# Altium PCB MSP-EXP430FR2433_PCB.PcbDoc (part 1 of 2) (continued)
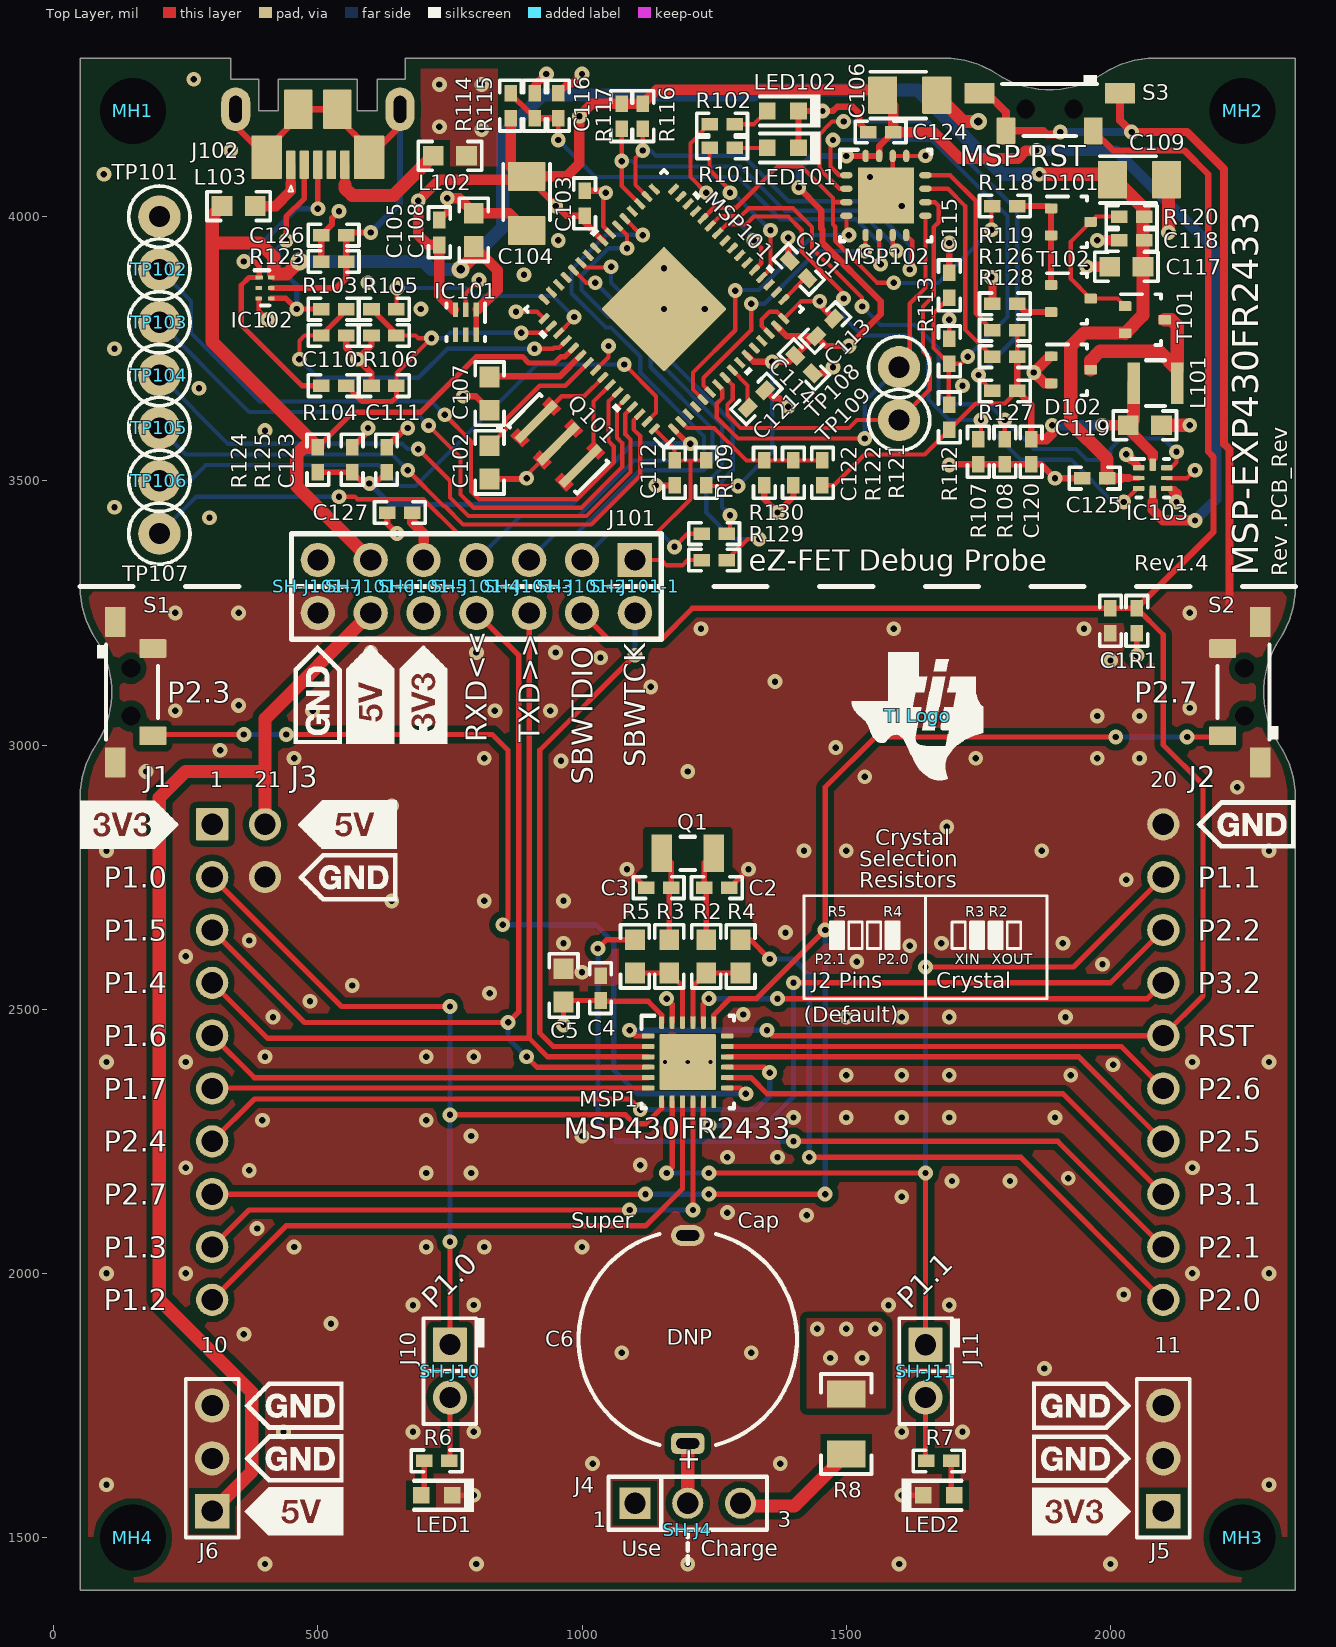
[diagram p0: Top Layer view]
## Components (designator, comment, footprint, x,y, rotation, side; value= is the part's Value field where it differs from the comment)
C1 "GRM155R71H102KA01D" 0402 2000,3235 r270 top
C2 "GRM1555C1E120JA01D" 0402 1255,2730 r0 top
C3 "GRM1555C1E120JA01D" 0402 1145,2730 r180 top
C4 "GRM155R61H104ME14D" 0402 1035,2540 r90 top
C5 "GRM188R60J106ME84" 0603 965,2545 r270 top
C6 "EEC-S0HD224H" SD_1050x600 1200,1875 r90 top
C101 "GRM155R61C474KE01" 0402 1410,3900 r315 top
C102 "GRM188R61C224KA88D" 0603 825,3535 r90 top
C103 "GRM155R61A104KA01D" 0402 1005,4025 r270 top
C104 "293D106X0010A2TE3" 3216-18 895,4025 r270 top
C105 "GRM155R61A104KA01D" 0402 730,3970 r270 top
C106 "293D475X9010A2TE3" 3216-18 1620,4230 r0 top
C107 "GRM188R61C224KA88D" 0603 825,3665 r90 top
C108 "GRM185R61A105KE36D" 0603 795,3975 r270 top
C109 "293D475X9010A2TE3" 3216-18 2055,4070 r0 top
C110 "GRM1555C1H100JA01D" 0402 530,3775 r0 top
C111 "GRM1555C1H100JA01D" 0402 625,3680 r180 top
C112 "GRM155R71H102KA01D" 0402 1175,3515 r90 top
C113 "GRM155R61A104KA01D" 0402 1460,3790 r225 top
C114 "GRM155R61A104KA01D" 0402 1420,3720 r135 top
C115 "GRM1555C1H330JA01D" 0402 1695,3870 r270 top
C116 "GRM1555C1H330JA01D" 0402 955,4210 r270 top
C117 "GRM188R61C475KAAJ" 0603 2030,3905 r0 top
C118 "GRM155R61A104KA01D" 0402 2040,3955 r0 top
C119 "GRM188R61C475KAAJ" 0603 2065,3605 r180 top
C120 "GRM155R61A104KA01D" 0402 1850,3555 r90 top
C121 "GRM155R61A104KA01D" 0402 1330,3655 r225 top
C122 "GRM1555C1H330JA01D" 0402 1345,3515 r90 top
C123 "GRM1555C1H330JA01D" 0402 630,3540 r270 top
C124 "GRM155R61A104KA01D" 0402 1565,4160 r0 top
C125 "GRM155R61A104KA01D" 0402 1970,3505 r0 top
C126 "GRM155R61A224KE19D" 0402 530,3965 r0 top
C127 "GRM1555C1H101JA01D" 0402 655,3440 r180 top
"CE Logo" "CE Mark" CE_Mark_5mm 1650,2400 r180 bottom
D101 "BAS40-05W,115" SOT-323 1925,3990 r0 top
D102 "BAS40-05W,115" SOT-323 1925,3710 r0 top
"ESD Logo" "ESD Susceptible" ESD_Overlay_Medium 750,2400 r180 bottom
"FCC Logo" "FCC disclaimer" FCC_disclaimer 1200,1465 r90 bottom
IC101 "TLV70033DSET" DSE0006A 780,3800 r270 top
IC102 "TPD4E004DRYR" DRY0006A 400,3865 r0 top
IC103 "TS5A21366RSER" RSE0008A 2080,3505 r0 top
J1 "SSQ-110-03-F-S" BoosterPack_20pin_J1 300,2400 r180 bottom
J2 "SSQ-110-03-F-S" BoosterPack_20pin_J2 2100,2400 r180 bottom
J3 "SSQ-102-03-F-S" BoosterPack_20pin_J3 400,2800 r180 bottom
J4 "PEC03SAAN" CONN_PEC03SAAN 1200,1565 r0 top
J5 "PEC03SAAN" PEC03SAAN_Launchpad_3V3 2100,1650 r90 top
J6 "PEC03SAAN" PEC03SAAN_Launchpad_5V0 300,1650 r90 top
J10 "TSW-102-07-G-S" TSW-102-07-G-S 750,1815.14 r270 top
J11 "TSW-102-07-G-S" TSW-102-07-G-S 1650,1815 r270 top
J101 "PEC07DAAN" PEC07DAAN_Launchpad_EZ-FET 800,3300 r180 top
J102 "1051640001" Molex_1051640001 500,4260 r180 top
L101 "CBC2518T2R2M" CBC2518 2085,3685 r180 top
L102 "742792622" 0603 750,4115 r0 top
L103 "742792622" 0603 350,4020 r180 top
LED1 "LTST-C190CKT" LED_LTST-C190_Red 725,1580.14 r0 top
LED2 "LTST-C190GKT" LED_LTST-C190 1675,1580 r180 top
LED101 "LTST-C190CKT" LED_LTST-C190_Red 1380,4130 r0 top
LED102 "LTST-C190GKT" LED_LTST-C190 1380,4200 r0 top
MH1 "MTG_NoPads" NPTH125mil 150,4200 r0 top
MH2 "MTG_NoPads" NPTH125mil 2250,4200 r0 top
MH3 "MTG_NoPads" NPTH125mil 2250,1500 r0 top
MH4 "MTG_NoPads" NPTH125mil 150,1500 r0 top
MSP1 "MSP430FR2433IRGER" RGE0024H 1200,2400 r0 top
MSP101 "MSP430F5528IRGCT" RGC0064B 1155,3825 r135 top
MSP102 "MSP430G2452IRSA16R" RSA0016B 1575,4040 r0 top
Q1 "X1A0001410014" Epson_FC-135 1200,2795 r0 top
Q101 "CSTCR4M00G15L99-R0" Murata_CSTCR 955,3570 r315 top
R1 "RC0402FR-0747KL" 0402 2050,3235 r270 top
R2 "CRCW06030000Z0EA" 0603 1235,2600 r270 top
R3 "CRCW06030000Z0EA" 0603 1165,2600 r270 top
R4 "CRCW06030000Z0EA" 0603 1300,2600 r270 top
R5 "CRCW06030000Z0EA" 0603 1100,2600 r270 top
R6 "RC0402FR-07470RL" 0402 725,1645.14 r0 top
R7 "CRCW0402392RFKED" 0402 1675,1645 r180 top
R8 "CRCW120622R0JNEA" 1206 1500,1715 r270 top
R101 "CRCW0402470RJNED" 0402 1265,4130 r180 top
R102 "CRCW0402390RJNED" 0402 1265,4175 r180 top
R103 "CRCW040227R0JNED" 0402 530,3825 r0 top
R104 "CRCW040227R0JNED" 0402 530,3680 r0 top
R105 "CRCW04021K40FKED" 0402 625,3825 r180 top
R106 "CRCW04021M00JNED" 0402 625,3775 r0 top
R107 "CRG0402F4K7" 0402 1750,3555 r90 top
R108 "CRG0402F4K7" 0402 1800,3555 r90 top
R109 "CRCW040247K0JNED" 0402 1235,3515 r90 top
R112 "CRCW0402221KFKED" 0402 1695,3620 r90 top
R113 "CRCW0402221KFKED" 0402 1695,3745 r90 top
R114 "CRCW0402221KFKED" 0402 865,4210 r90 top
R115 "CRCW0402221KFKED" 0402 910,4210 r90 top
R116 "CRCW04024K70JNED" 0402 1115,4190 r270 top
R117 "CRCW04024K70JNED" 0402 1075,4190 r270 top
R118 "RC0402FR-07820RL" 0402 1800,4020 r180 top
R119 "CRCW04020000Z0ED" 0402 1800,3835 r0 top
R120 "CRCW0402470RJNED" 0402 2040,4000 r0 top
R121 "CRCW0402221KFKED" 0402 1455,3515 r90 top
R122 "CRCW0402221KFKED" 0402 1400,3515 r270 top
R123 "CRCW040233K0JNED" 0402 530,3915 r0 top
R124 "CRCW0402240KFKED" 0402 500,3540 r270 top
R125 "CRCW0402150KFKED" 0402 565,3540 r90 top
R126 "CRCW04022K20FKED" 0402 1800,3785 r0 top
R127 "ERJ-2RKF3301X" 0402 1800,3670 r0 top
R128 "CRCW04026K81FKED" 0402 1800,3735 r180 top
R129 "CRCW040210R0FKED" 0402 1250,3350 r180 top
R130 "CRCW040210R0FKED" 0402 1250,3400 r180 top
"RoHS Logo" "Pb-Free Symbol" Pb-Free_Overlay_Medium 1200,2400 r180 bottom
S1 "1188E-1K2-V-TR" SW_1188E 160,3100 r0 top
S2 "1188E-1K2-V-TR" SW_1188E 2240,3100 r180 top
S3 "1188E-1K2-V-TR" SW_1188E 1885,4190 r270 top
SH-J4 "SNT-100-BK-G" SNT-100-BK-G 1200,1515 r270 top
SH-J10 "SNT-100-BK-G" SNT-100-BK-G 750,1815.14 r90 top
SH-J11 "SNT-100-BK-G" SNT-100-BK-G 1650,1815 r90 top
SH-J101-1 "SNT-100-BK-G" SNT-100-BK-G 1100,3300 r90 top
SH-J101-2 "SNT-100-BK-G" SNT-100-BK-G 1000,3300 r90 top
SH-J101-3 "SNT-100-BK-G" SNT-100-BK-G 900,3300 r90 top
SH-J101-4 "SNT-100-BK-G" SNT-100-BK-G 800,3300 r90 top
SH-J101-5 "SNT-100-BK-G" SNT-100-BK-G 700,3300 r90 top
SH-J101-6 "SNT-100-BK-G" SNT-100-BK-G 600,3300 r90 top
SH-J101-7 "SNT-100-BK-G" SNT-100-BK-G 500,3300 r90 top
T101 "DMG1013UW-7" SOT-323 2065,3805 r0 top
T102 "BC850CW,115" SOT-323 1925,3845 r0 top
"TI Logo" "Texas Instruments" TI_Symbol_Overlay_Medium 1635,3055 r0 top
"TI Logo 2" "Texas Instruments" TI_Horizontal_Overlay_Small 1200,3055 r180 bottom
TP101 "5001" Keystone5001 200,4000 r90 top
TP102 "5001" Keystone5001 200,3900 r90 top
TP103 "5001" Keystone5001 200,3800 r90 top
TP104 "5001" Keystone5001 200,3700 r90 top
TP105 "5001" Keystone5001 200,3600 r90 top
TP106 "5001" Keystone5001 200,3500 r90 top
TP107 "5001" Keystone5001 200,3400 r0 top
TP108 "5001" Keystone5001 1600,3715 r0 top
TP109 "5001" Keystone5001 1600,3615 r0 top

## Footprints (in the part's own frame and the unit in brackets; to place one, negate y for a bottom-side part, rotate by r counter-clockwise, add the part's x,y. Pads: shape width x height; smd on the part's side, far side on the other; paste and mask are expansions set on the pad)
0402 [mm] "0402 from SM-752 data"
  rect 0.8x0.6 smd: 1(-0.6,0) 2(0.6,0)
  silkscreen extent -1.22,-0.52 1.22,0.52, body extent -0.55,-0.3 0.55,0.3, height 0.6
0603 [mm] "0603 from SM-752 data"
  rect 1x0.95 smd: 1(-0.8,0) 2(0.8,0)
  silkscreen extent -1.52,-0.69 1.52,0.69, body extent -0.87,-0.47 0.87,0.47, height 1
1206 [mm] "1206 from SM-752 data"
  rect 1.3x1.85 smd: 1(-1.45,0) 2(1.45,0)
  silkscreen extent -2.4,-1.21 2.4,1.21, body extent -1.7,-0.9 1.7,0.9, height 1.35
3216-18 [mm] "Based on AVX recommendation in http://www.avx.com/download/software/literature/AVX-Footprint-Library.pdf"
  rrect7% 1.4x1.8 smd: 1(-1.3,0) 2(1.3,0)
  silkscreen extent -1.9,-1.12 0.8,1.12, body extent -1.7,-0.9 1.7,0.9, height 1.82
BoosterPack_20pin_J1 [mm] "Receptacle, 2.54mm, 10x1, TH"
  rrect6% 1.55x1.55 hole 1.02: 1(0,11.43)
  round 1.55 hole 1.02: 2(0,8.89) 3(0,6.35) 4(0,3.81) 5(0,1.27) 6(0,-1.27) 7(0,-3.81) 8(0,-6.35) 9(0,-8.89) 10(0,-11.43)
  silkscreen extent -1.21,-12.95 6.35,12.95, body extent -1.21,-12.95 1.21,12.95, height 8.51
BoosterPack_20pin_J2 [mm] "Receptacle, 2.54mm, 10x1, TH"
  round 1.55 hole 1.02: 11(0,-11.43) 12(0,-8.89) 13(0,-6.35) 14(0,-3.81) 15(0,-1.27) 16(0,1.27) 17(0,3.81) 18(0,6.35) 19(0,8.89) 20(0,11.43)
  silkscreen extent -6.35,-12.95 1.21,12.95, body extent -1.21,-12.95 1.21,12.95, height 8.51
BoosterPack_20pin_J3 [mm] "Receptacle, 2.54mm, 2x1, TH"
  round 1.55 hole 1.02: 21(0,1.27) 22(0,-1.27)
  silkscreen extent -6.35,-2.79 1.21,2.79, body extent -1.21,-2.79 1.21,2.79, height 8.51
CBC2518 [mm] "Taiyo Yuden"
  rect 0.6x2 smd: 1(-1.05,0) 2(1.05,0)
  silkscreen extent -0.45,-1.1 0.45,1.1, body extent -1.35,-1 1.35,1, height 2
CE_Mark_5mm [mil] "Minimum text height for CE Mark"
  silkscreen extent -138,-98 138,98
CONN_PEC03SAAN [mm] "SULLINS"
  rect 1.5x1.5 hole 1.016: 1(-2.54,0)
  round 1.5 hole 1.016: 2(0,0) 3(2.54,0)
  silkscreen extent -3.81,-1.27 3.81,1.27, body extent -3.84,-1.3 3.84,1.3, height 8.38
DRY0006A [mm] "PSON, 6-Leads, Body 1x1.45mm, Pitch 0.5mm, TI Recommended"
  rect 0.35x0.2 smd: 1(-0.275,0.5)
  rect 0.3x0.2 smd: 2(-0.3,0) 3(-0.3,-0.5) 4(0.3,-0.5) 5(0.3,0) 6(0.3,0.5)
  silkscreen extent -0.5,-0.85 0.2,0.85, body extent -0.53,-0.75 0.53,0.75, height 0.61
DSE0006A [mm] "TI recommended land pattern"
  rect 0.66x0.25 smd: 1(-0.62,0.5)
  rect 0.7x0.25 smd: 2(-0.6,0) 3(-0.6,-0.5) 4(0.6,-0.5) 5(0.6,0) 6(0.6,0.5)
  Top Layer region: -0.3,0.625 -0.25,0.625 -0.15,0.525 -0.15,0.375 -0.3,0.375
  silkscreen extent -0.9,-0.92 0.9,0.92, body extent -0.77,-0.77 0.77,0.77, height 0.8
Epson_FC-135 [mm] "SMD, 2-Leads, Body 3.2x1.5mm"
  rect 1x1.8 smd: 1(-1.25,0) 2(1.25,0)
  silkscreen extent -0.35,-0.8 0.35,0.8, body extent -1.65,-0.8 1.65,0.8, height 0.9
ESD_Overlay_Medium [mil]
  silkscreen extent -127,-109 125,110
FCC_disclaimer [mil]
Keystone5001 [mil] "For Keystone 500x miniature loop terminals"
  round 80 hole 40: 1(0,0)
  silkscreen extent -58,-58 58,58, body extent -49,-49 49,49, height 182
LED_LTST-C190 [mm] "Lite-On"
  rect 0.8x0.8 smd: 1(-0.75,0) 2(0.75,0)
  silkscreen extent -1.1,-0.8 1.8,0.8, body extent -0.85,-0.45 0.85,0.45, height 0.9
LED_LTST-C190_Red [mm] "Lite-On"
  rect 0.8x0.8 smd: 1(-0.75,0) 2(0.75,0)
  silkscreen extent -1.1,-0.8 1.8,0.8, body extent -0.85,-0.45 0.85,0.45, height 0.9
Molex_1051640001 [mm] "Receptacle, USB 2.0, Micro B, 5 Pos, 0.65mm Pitch, R/A, SMT"
  rrect22% 0.45x1.38 smd: 1(1.3,4.11) 2(0.65,4.11) 3(0,4.11) 4(-0.65,4.11) 5(-1.3,4.11)
  rrect7% 1.475x2.1 smd: 6(-2.462,3.75) 11(2.462,3.75)
  rrect100% 1.4x2.1 hole 0.6 slot 1.3 at 90 deg: 7(-3.95,1.45) 10(3.95,1.45)
  rrect7% 1.375x1.9 smd: 8(-0.937,1.45) 9(0.937,1.45)
  silkscreen extent 1.2,5.1 1.4,5.4, body extent -4.1,-0.7 4.1,4.47, height 2.45
Murata_CSTCR [mm] "Murata"
  rect 0.4x2.6 smd mask+0.051: 1(-1.5,0) 2(0,0) 3(1.5,0)
  Top Layer region: 1.1,-1.35 1.1,-0.85 1.9,-0.85 1.9,-1.35
  Top Layer region: 1.1,-1.35 1.1,-0.85 1.9,-0.85 1.9,-1.35
  Top Layer region: 1.1,0.8 1.9,0.8 1.9,1.3 1.1,1.3
  Top Layer region: -1.9,-1.35 -1.9,-0.85 -1.1,-0.85 -1.1,-1.35
  Top Layer region: -1.9,-1.35 -1.9,-0.85 -1.1,-0.85 -1.1,-1.35
  Top Layer region: -1.9,0.8 -1.1,0.8 -1.1,1.3 -1.9,1.3
  Top Layer region: -0.4,-1.35 -0.4,-0.85 0.4,-0.85 0.4,-1.35
  Top Layer region: -0.4,-1.35 -0.4,-0.85 0.4,-0.85 0.4,-1.35
  Top Layer region: -0.4,0.8 0.4,0.8 0.4,1.3 -0.4,1.3
  silkscreen extent -2.61,-1.56 2.32,1.08, body extent -2.3,-1.05 2.3,1.05, height 1.2
NPTH125mil [mil]
  round 120 hole 125 unplated mask+15: 1(0,0)
Pb-Free_Overlay_Medium [mil]
  silkscreen extent -95,-95 95,95
PEC03SAAN_Launchpad_3V3 [mm] "SULLINS"
  rect 1.65x1.65 hole 1.016: 1(-2.54,0)
  round 1.65 hole 1.016: 2(0,0) 3(2.54,0)
  silkscreen extent -3.81,-1.27 3.81,6.3, body extent -3.84,-1.3 3.84,1.3, height 8.38
PEC03SAAN_Launchpad_5V0 [mm] "SULLINS"
  rect 1.65x1.65 hole 1.016: 1(-2.54,0)
  round 1.65 hole 1.016: 2(0,0) 3(2.54,0)
  silkscreen extent -3.81,-6.31 3.81,1.27, body extent -3.84,-1.3 3.84,1.3, height 8.38
PEC07DAAN_Launchpad_EZ-FET [mm] "Sullins"
  rect 1.65x1.65 hole 1.016: 1(-7.62,-1.27)
  round 1.65 hole 1.016: 2(-7.62,1.27) 3(-5.08,-1.27) 4(-5.08,1.27) 5(-2.54,-1.27) 6(-2.54,1.27) 7(0,-1.27) 8(0,1.27) 9(2.54,-1.27) 10(2.54,1.27) 11(5.08,-1.27) 12(5.08,1.27) 13(7.62,-1.27) 14(7.62,1.27)
  silkscreen extent -8.89,-2.54 8.89,7.57, body extent -8.95,-2.6 8.95,2.6, height 8.38
RGC0064B [mm]
  rrect42% 0.6x0.24 smd mask+0.07: 1(-4.4,3.75) 2(-4.4,3.25) 3(-4.4,2.75) 4(-4.4,2.25) 5(-4.4,1.75) 6(-4.4,1.25) 7(-4.4,0.75) 8(-4.4,0.25) 9(-4.4,-0.25) 10(-4.4,-0.75) 11(-4.4,-1.25) 12(-4.4,-1.75) 13(-4.4,-2.25) 14(-4.4,-2.75) 15(-4.4,-3.25) 16(-4.4,-3.75) 33(4.4,-3.75) 34(4.4,-3.25) 35(4.4,-2.75) 36(4.4,-2.25) 37(4.4,-1.75) 38(4.4,-1.25) 39(4.4,-0.75) 40(4.4,-0.25) 41(4.4,0.25) 42(4.4,0.75) 43(4.4,1.25) 44(4.4,1.75) 45(4.4,2.25) 46(4.4,2.75) 47(4.4,3.25) 48(4.4,3.75)
  rrect42% 0.24x0.6 smd mask+0.07: 17(-3.751,-4.4) 18(-3.251,-4.4) 19(-2.751,-4.4) 20(-2.251,-4.4) 21(-1.75,-4.4) 22(-1.25,-4.4) 23(-0.75,-4.4) 24(-0.25,-4.4) 25(0.25,-4.4) 26(0.75,-4.4) 27(1.25,-4.4) 28(1.75,-4.4) 29(2.251,-4.4) 30(2.751,-4.4) 31(3.251,-4.4) 32(3.751,-4.4) 49(3.751,4.4) 50(3.251,4.4) 51(2.751,4.4) 52(2.251,4.4) 53(1.75,4.4) 54(1.25,4.4) 55(0.75,4.4) 56(0.25,4.4) 57(-0.25,4.4) 58(-0.75,4.4) 59(-1.25,4.4) 60(-1.75,4.4) 61(-2.251,4.4) 62(-2.751,4.4) 63(-3.251,4.4) 64(-3.751,4.4)
  rrect8% 1.19x1.19 on Top Paste: 65(-1.39,-1.39) 65(-1.39,1.39) 65(-1.39,0) 65(0,1.39) 65(0,0) 65(0,-1.39) 65(1.39,0) 65(1.39,-1.39) 65(1.39,1.39)
  rrect2% 4.25x4.25 smd paste-2.112: 65(0,0)
  silkscreen extent -5.1,-5.1 5.1,5.1, body extent -4.57,-4.57 4.57,4.57, height 1.01
RGE0024H [mm] "QFN, 24-Leads, Body 4x4mm, Pitch 0.5mm, Thermal Pad 2.7x2.7mm, TI Recommended"
  rrect42% 0.6x0.24 smd: 1(-1.9,1.25) 2(-1.9,0.75) 3(-1.9,0.25) 4(-1.9,-0.25) 5(-1.9,-0.75) 6(-1.9,-1.25) 13(1.9,-1.25) 14(1.9,-0.75) 15(1.9,-0.25) 16(1.9,0.25) 17(1.9,0.75) 18(1.9,1.25)
  rrect42% 0.24x0.6 smd: 7(-1.25,-1.9) 8(-0.75,-1.9) 9(-0.25,-1.9) 10(0.25,-1.9) 11(0.75,-1.9) 12(1.25,-1.9) 19(1.25,1.9) 20(0.75,1.9) 21(0.25,1.9) 22(-0.25,1.9) 23(-0.75,1.9) 24(-1.25,1.9)
  rrect8% 1.19x1.19 on Top Paste: 25(-0.695,-0.695) 25(-0.695,0.695) 25(0.695,-0.695) 25(0.695,0.695)
  rrect4% 2.7x2.7 smd paste-1.35: 25(0,0)
  silkscreen extent -2.22,-2.22 2.22,2.22, body extent -2.07,-2.07 2.07,2.07, height 1.01
RSA0016B [mm] "QFN, 16-Leads, Body 4x4mm, Pitch 0.65mm, Thermal Pad 2.7x2.7mm, TI Recommended"
  oval 0.6x0.3 smd: 1(-1.9,0.975) 2(-1.9,0.325) 3(-1.9,-0.325) 4(-1.9,-0.975) 9(1.9,-0.975) 10(1.9,-0.325) 11(1.9,0.325) 12(1.9,0.975)
  oval 0.3x0.6 smd: 5(-0.975,-1.9) 6(-0.325,-1.9) 7(0.325,-1.9) 8(0.975,-1.9) 13(0.975,1.9) 14(0.325,1.9) 15(-0.325,1.9) 16(-0.975,1.9)
  rect 2.7x2.7 smd paste-1.35: 17(0,0)
  silkscreen extent -2.2,-2.2 2.2,2.2, body extent -2.05,-2.05 2.05,2.05, height 1.01
RSE0008A [mm] "QFN, 8-Leads, Body 1.5x1.5mm, Pitch 0.5mm, TI Recommended"
  rrect40% 0.55x0.25 smd: 1(-0.675,0.5) 3(-0.675,-0.5) 5(0.675,-0.5) 7(0.675,0.5)
  rrect50% 0.55x0.2 smd: 2(-0.675,0) 6(0.675,0)
  rrect33% 0.3x0.6 smd: 4(0,-0.65) 8(0,0.65)
  silkscreen extent -1.02,-0.92 0.77,0.92, body extent -0.75,-0.75 0.75,0.75, height 0.6
SD_1050x600 [mm] "TH, 2-Leads, Dia 10.5mm, Pin Spacing 10mm"
  rrect50% 1x1.6 hole 0.5 slot 1.1 at 90 deg: 1(-5,0)
  oval 1x1.6 hole 0.5 slot 1.1 at 90 deg: 2(5,0)
  silkscreen extent -5.07,-5.25 5.07,5.25, body extent -5.25,-5.25 5.6,5.25, height 6
SNT-100-BK-G [mil] "Samtec STEP model"
  round 1 on Mech3: 0(0,0)
  body extent -100,-50 100,50, height 344
SOT-323 [mm] "Diodes Inc recommended land pattern.  2016-02-24"
  rrect21% 0.6x0.47 smd: 1(-0.95,0.65) 2(-0.95,-0.65) 3(0.95,0)
  silkscreen extent -1.14,-1.22 0.77,1.22, body extent -1.13,-1.13 1.12,1.12, height 1.13
SW_1188E [mm] "SMD, 4-Leads, Body 7.8x3.5mm"
  rrect10% 1x1.45 smd: 1(-1.1,3.375) 2(-1.1,-3.375)
  rrect11% 1.3x0.9 smd: 3(0.7,2.1) 4(0.7,-2.1)
  round 0 hole 0.9 unplated: ""(-0.35,-1.15) ""(-0.35,1.15)
  silkscreen extent -1.97,-2.28 0.95,2.28, body extent -2.55,-3.9 1.05,3.9, height 3.5
TI_Horizontal_Overlay_Small [mil]
  silkscreen extent -545,-68 545,67
TI_Symbol_Overlay_Medium [mil]
  silkscreen extent -124,-122 124,120
TSW-102-07-G-S [mm] "Samtec 100mil, 1x2, 230 mil above insulator"
  rrect6% 1.65x1.65 hole 1.016: 1(-1.27,0)
  round 1.65 hole 1.016: 2(1.27,0)
  silkscreen extent -2.54,-1.27 2.54,1.65, body extent -2.54,-1.27 2.54,1.27, height 8.38

## Part data
C1 C112: "CAP, CERM, 1000 pF, 50 V, +/- 10%, X7R, 0402"
C2 C3: "CAP, CERM, 12 pF, 25 V, +/- 5%, C0G/NP0, 0402"
C4: "CAP, CERM, 0.1 µF, 50 V, +/- 20%, X5R, 0402"
C5: "CAP, CERM, 10 µF, 6.3 V, +/- 20%, X5R, 0603"
C6: "CAP, Electric Double Layer, 220000 µF, 5.5 V, +80/-20%, TH"
C101: "CAP, CERM, 0.47 µF, 16 V, +/- 10%, X5R, 0402"
C102 C107: "CAP, CERM, 0.22 µF, 16 V, +/- 10%, X5R, 0603"
C103 C105 C113 C114 C118 C120 C121 C124 C125: "CAP, CERM, 0.1 µF, 10 V, +/- 10%, X5R, 0402"
C104: "CAP, TA, 10 µF, 10 V, +/- 20%, 3.4 ohm, SMD"
C106 C109: "CAP, TA, 4.7 µF, 10 V, +/- 10%, 5 ohm, SMD"
C108: "CAP, CERM, 1 µF, 10 V, +/- 10%, X5R, 0603"
C110 C111: "CAP, CERM, 10 pF, 50 V, +/- 5%, C0G/NP0, 0402"
C115 C116 C122 C123: "CAP, CERM, 33 pF, 50 V, +/- 5%, C0G/NP0, 0402"
C117 C119: "CAP, CERM, 4.7 µF, 16 V, +/- 10%, X5R, 0603"
C126: "CAP, CERM, 0.22 µF, 10 V, +/- 10%, X5R, 0402"
C127: "CAP, CERM, 100 pF, 50 V, +/- 5%, C0G/NP0, 0402"
D101 D102: "Diode, Schottky, 40 V, 0.12 A, AEC-Q101, SOT-323"
"ESD Logo": library part ESD_Susceptible, "ESD Susceptible Symbol"
"FCC Logo": library part FCC_disclaimer, "FCC_disclaimer"
IC101: "Single Output LDO, 200 mA, Fixed 3.3 V Output, 2 to 5.5 V Input, with Low IQ, 6-pin WSON (DSE), -40 to 125 degC, Green (RoHS & no Sb/Br)"
IC102: "ESD-Protection Array for High-Speed Data Interfaces, 4 Channels, -40 to +85 degC, 6-pin SON (DRY), Green (RoHS & no Sb/Br)"
IC103: "0.75-Ohm DUAL SPST ANALOG SWITCH WITH 1.8-V COMPATIBLE INPUT LOGIC, RSE0008A (UQFN-8)"
J1: library part BoosterPack_20pin_J1, "Receptacle, 2.54mm, 10x1, Gold, TH"
J2: library part BoosterPack_20pin_J2, "Receptacle, 2.54mm, 10x1, Gold, TH"
J3: library part BoosterPack_20pin_J3, "Receptacle, 2.54mm, 2x1, Gold, TH"
J4 J5 J6: "Header, 100mil, 3x1, Tin, TH"
J10 J11: "Header, 100mil, 2x1, Gold, TH"
J101: "Header, 100mil, 7x2, Tin, TH"
J102: "Receptacle, USB 2.0, Micro B, 5 Position, R/A, SMT"
L101: "Inductor, Wirewound, Ceramic, 2.2 µH, 0.89 A, 0.13 ohm, SMD"
L102 L103: "Ferrite Bead, 180 ohm @ 100 MHz, 0.5 A, 0603"
LED1 LED101: "LED, Red, SMD"
LED2 LED102: "LED, Green, SMD"
MH1 MH2 MH3 MH4: library part "Mounting Hole (non-standard) No Pad", "PCB Mounting Hole, No Pad"
MSP1: "MSP430FR2433 16 MHz Ultra-Low-Power Microcontroller with 16 KB FRAM, 4 KB RAM, 19 IO, 4 Timers, RGE0024H (VQFN-24)"
MSP101: "25 MHz Mixed Signal Microcontroller with 128 KB Flash, 8192 B SRAM and 47 GPIOs, -40 to 85 degC, 64-pin QFN (RGC), Green (RoHS & no Sb/Br)"
MSP102: "16 MHz Mixed Signal Microcontroller with 8 KB Flash, 256 B SRAM and 16 GPIOs, 16-pin QFN (RSA), Green (RoHS & no Sb/Br)"
Q1: "Crystal, 32.768 KHz, 12.5 pF, SMD"
Q101: "Resonator, 4MHz, 39pF SMD"
R1: "RES, 47.0 k, 1%, 0.0625 W, 0402"
R2 R3 R4 R5: "RES, 0, 5%, 0.1 W, 0603"
R6: "RES, 470, 1%, 0.063 W, 0402"
R7: "RES, 392, 1%, 0.063 W, 0402"
R8: "RES, 22, 5%, 0.25 W, 1206"
R101 R120: "RES, 470, 5%, 0.063 W, 0402"
R102: "RES, 390, 5%, 0.063 W, 0402"
R103 R104: "RES, 27, 5%, 0.063 W, 0402"
R105: "RES, 1.40 k, 1%, 0.063 W, 0402"
R106: "RES, 1.0 M, 5%, 0.063 W, 0402"
R107 R108: "RES, 4.70 k, 1%, 0.063 W, 0402"
R109: "RES, 47 k, 5%, 0.063 W, 0402"
R112 R113 R114 R115 R121 R122: "RES, 221 k, 1%, 0.063 W, 0402"
R116 R117: "RES, 4.7 k, 5%, 0.063 W, 0402"
R118: "RES, 820, 1%, 0.063 W, 0402"
R119: "RES, 0, 5%, 0.063 W, 0402"
R123: "RES, 33 k, 5%, 0.063 W, 0402"
R124: "RES, 240 k, 1%, 0.063 W, 0402"
R125: "RES, 150 k, 1%, 0.063 W, 0402"
R126: "RES, 2.20 k, 1%, 0.063 W, 0402"
R127: "RES, 3.30 k, 1%, 0.1 W, AEC-Q200 Grade 0, 0402"
R128: "RES, 6.81 k, 1%, 0.063 W, 0402"
R129 R130: "RES, 10.0, 1%, 0.063 W, 0402"
"RoHS Logo": library part Pb-Free
S1 S2 S3: "Switch, SPST, 0.05 A, 12 VDC, SMD"
SH-J4 SH-J10 SH-J11 SH-J101-1 SH-J101-2 SH-J101-3 SH-J101-4 SH-J101-5 SH-J101-6 SH-J101-7: "Shunt, 100mil, Gold plated, Black"
T101: "MOSFET, P-CH, -20 V, -0.82 A, SOT-323"
T102: library part "BC850CW,115, NXP Semiconductor", "Transistor, NPN, 45 V, 0.1 A, SOT-323"
"TI Logo" "TI Logo 2": library part TI_Logo, "Texas Instrument Corporate Signature"
TP101 TP102 TP103 TP104 TP105 TP106 TP107 TP108 TP109: "Test Point, Miniature, Black, TH"

## Via types
v1: diameter 28, hole 12, Top Layer to Bottom Layer, 304 vias
v2: diameter 19.68, hole 7.87, Top Layer to Bottom Layer, 3 vias
v3: diameter 34, hole 16, Top Layer to Bottom Layer, 2 vias
v4: diameter 32, hole 16, Top Layer to Bottom Layer, 1 vias

## Nets (pads, with @x,y where several pads share a name; then routed paths per layer and width w, separated by ;. In a path a pad name is that pad's centre, name@x,y a point inside that pad or via, vN(x,y) a via of type N, cw(c..) or ccw(c..) an arc to the next point about the centre after c; other vN are vias at no path point)
3V3: C4.1 C5.2 J1.1 J4.1 J5.1 J101.10 MSP1.24 R1.2 R8.1 | length 278.5
  Top Layer w10: v1(965,2470) C5.2@965,2513.5 ; C5.2@982.87,2516.38 1040,2516.38 1041.38,2515 1125,2515 1150.79,2489.21 MSP1.24@1150.79,2474.8 ; v1(2050,3170) R1.2@2050,3211.38
  other v1: 1470,1840 1530,1840 1445,1895 1500,1895 1555,1895
5V0: J3.21 J6.1 J101.12 | length 2157.1
  Top Layer w25: J6.1@300,1550 375,1625 375,1775 200,1950 200,2900 250,2950 400,2950 ; J3.21@400,2850 400,2950 ; J101.12@600,3250 400,3050 400,2950
A0: J1.2 J10.1 MSP1.7 | length 1623.8
  Top Layer w10: J1.2@300,2750 545,2505 v1(750,2505) ; J10.1@750,1865.14 v1(750,2060) ; v1(750,2300) 1081.99,2300 1098.87,2283.13 1121.13,2283.13 1150.79,2312.78 MSP1.7@1150.79,2325.2
  Bottom Layer w10: v1(750,2060) v1(750,2300) v1(750,2505)
"A1 CLK": J1.7 MSP1.15 | length 1236.2
  Top Layer w10: J1.7@300,2250 380,2330 1090,2330 v1(1110,2310) ; MSP1.15@1274.8,2390.16 1344.84,2390.16 v1(1355,2380)
  Bottom Layer w10: v1(1110,2310) 1330,2310 1355,2335 v1(1355,2380)
"A1 CS": J2.13 MSP1.14 | length 916.5
  Top Layer w10: MSP1.14@1274.8,2370.47 1319.53,2370.47 1350,2340 1910,2340 J2.13@2100,2150
"A1 MISO": J2.14 MSP1.16 | length 891.4
  Top Layer w10: MSP1.16@1274.8,2409.84 1940.16,2409.84 J2.14@2100,2250
"A1 MOSI": J2.15 MSP1.17 | length 858.1
  Top Layer w10: MSP1.17@1274.8,2429.53 2020.47,2429.53 J2.15@2100,2350
A6: J1.5 MSP1.5 | length 858.1
  Top Layer w10: J1.5@300,2450 379.53,2370.47 MSP1.5@1125.2,2370.47
A7: J1.6 MSP1.6 | length 824.4
  Top Layer w10: J1.6@300.79,2350.79 MSP1.6@1125.2,2350.79
B0_SCL: J1.9 MSP1.10 | length 1144.3
  Top Layer w10: J1.9@300,2050 370,2120 v1(1090,2120) ; MSP1.10@1209.84,2325.2 1210,2325.04 v1(1210,2120)
  Bottom Layer w10: v1(1090,2120) v1(1210,2120)
B0_SDA: J1.10 MSP1.9 | length 1142.2
  Top Layer w10: J1.10@300,1950 440,2090 1120,2090 1190.16,2160.16 MSP1.9@1190.16,2325.2
BCL_RXD: J1.3 J101.8 MSP1.4 | length 1766.8
  Top Layer w10: J1.3@300,2650 475,2475 v1(860,2475) 880,2495 880,3170 J101.8@800,3250 ; v1(895,2410) 914.84,2390.16 MSP1.4@1125.2,2390.16
  Bottom Layer w10: v1(860,2475) 860,2445 v1(895,2410)
BCL_TXD: J1.4 J101.6 MSP1.3 | length 1688.3
  Top Layer w10: J1.4@300,2550 405,2445 900,2445 ; J101.6@900,3250 900,2445 ; MSP1.3@1125.2,2409.84 935.16,2409.84 900,2445
EZ_GND: C101.1 C102.1 C103.1 C104.2 C105.1 C106.2 C107.1 C108.1 C109.2 C110.2 C111.2 C112.1 C113.1 C114.1 C115.1 C116.1 C117.1 C118.1 C119.1 C120.1 C121.1 C122.1 C123.1 C124.1 C125.1 C126.1 C127.2 D102.1 D102.2 IC101.2 IC102.3 IC103.6 J101.13 L102.2 LED101.2 LED102.2 MSP101.14 MSP101.16 MSP101.39 MSP101.49 MSP101.56 MSP101.65@1155,3825 MSP102.13 MSP102.14 MSP102.17 Q101.2 R106.1 R107.1 R108.1 R113.2 R115.2 R119.1 R122.2 R123.1 R125.2 TP101.1 | length 3090.9
  Top Layer w8: IC102.3@388.19,3845.31 388.19,3821.81 v1(405,3805) ; IC101.2@780,3823.62 780,3855 v1(805,3880) ; v1(875,3820) 915.02,3820 MSP101.49@928.09,3806.93 ; v1@895,3510 Q101.2@955,3570 ; MSP101.56@1025.55,3709.47 1050,3733.92 v1(1050,3755) ; v1@1040,4040 1040,3981.76 MSP101.39@1053.39,3968.37 ; MSP101.14@1354.05,3779.07 1340,3793.11 1340,3805 1355,3820 1368.79,3820 MSP101.16@1381.89,3806.9 1414.98,3840 v1(1450,3840) ; MSP102.17@1575,4040 1587.8,4052.8 MSP102.14@1587.8,4114.8 MSP102.13@1613.39,4114.8 v1@1649.8,4114.8 ; R113.2@1695,3768.62 v1(1695,3805) ; IC103.6@2106.57,3505 2145,3505 v1(2160,3520)
  Top Layer w12: R123.1@506.38,3915 C126.1@506.38,3965 526.89,3985.51 526.89,3996.89 v1(540,4010) ; C110.2@553.62,3775 553.62,3751.38 v1(575,3730) ; R125.2@565,3563.62 v1@595,3593.62 ; C111.2@601.38,3680 601.38,3703.62 v1(575,3730) ; R106.1@601.38,3775 601.38,3756.38 v1(575,3730) ; C123.1@630,3563.62 v1@666.38,3600 ; C127.2@631.38,3440 631.38,3418.62 v1(650,3400) ; C105.1@730,3993.62 745,4008.62 v1(745,4035) ; v1(775,3660) 798.5,3660 C107.1@825,3633.5 ; C102.1@825,3503.5 893.5,3503.5 v1(895,3505) ; C103.1@1005,4048.62 v1@1041.38,4048.62 ; v1(1140,3491.22) 1174.85,3491.22 C112.1@1175,3491.38 ; C122.1@1345,3491.38 1345,3465 v1(1370,3440) 1400,3470 R122.2@1400,3491.38 ; C121.1@1346.7,3671.7 1362.16,3656.24 1373.76,3656.24 v1(1390,3640) ; v1(1390,3960) 1390,3920 C101.1@1393.3,3916.7 ; LED101.2@1409.53,4130 LED102.2@1409.53,4200 v1(1455,4200) 1475,4200 1482.87,4207.87 1512.13,4207.87 1525,4195 1525,4176.38 C124.1@1541.38,4160 ; C114.1@1436.7,3703.3 1463.3,3703.3 v1(1475,3715) ; v1(1450,3840) 1450,3833.41 C113.1@1476.7,3806.7 ; C115.1@1695,3893.62 v1(1695,3950) ; v1@1696.38,3531.38 R107.1@1750,3531.38 R108.1@1800,3531.38 C120.1@1850,3531.38 1868.62,3531.38 v1(1895,3505) C125.1@1946.38,3505
  Top Layer w15: R115.2@910,4233.62 910,4247.5 v1(932.5,4270) ; C116.1@955,4233.62 972.83,4251.46 981.46,4251.46 v1(1000,4270) ; R119.1@1776.38,3835 v1@1776.38,3883.62
  Top Layer w20: v1(745,4035) 767.17,4035 C108.1@795.67,4006.5 ; C108.1@795,4006.5 C108.1@795.67,4006.5 ; C104.2@895,3973.82 862.32,4006.5 C108.1@795.67,4006.5 ; D102.2@1887.6,3684.41 1875.59,3684.41 v1(1855,3705) 1885.59,3735.59 D102.1@1887.6,3735.59 ; v1(1955,3905) C117.1@1998.5,3905 ; v1(1975,3955) C118.1@2016.38,3955
  Top Layer w25: C106.2@1671.18,4230 1721.18,4180 v4(1750,4180) ; C119.1@2096.5,3605 v1(2150,3605) ; C109.2@2106.18,4070 2110,4066.18 v1(2110,3970)
  other v1: 295,3430 115,3450 1695,3530 400,3595 595,3600 670,3600 275,3675 1720,3680 115,3750 695,3825 1155,3825 1232.39,3825 595,3875 1775,3885 1155,3902.39 1605,4020 1045,4045 1545,4075 95,4080 1650,4115 335,4125 810,4165 730,4170 730,4250 810,4250 265,4260
EZFET_AVBUS: C123.2 MSP101.1 R124.2 R125.1 | length 863
  Top Layer w10: R124.2@500,3516.38 R125.1@565,3516.38 586.38,3495 v1(597.5,3495) 608.62,3495 C123.2@630,3516.38 ; MSP101.1@1173.1,3598.11 1201.21,3570 v1(1205,3570)
  Bottom Layer w10: v1(597.5,3495) 637.5,3455 980,3455 1095,3570 v1(1205,3570)
EZFET_AVCC: C116.2 MSP102.6 R114.2 R115.1 | length 950.8
  Top Layer w8: v1(955,4145) C116.2@955,4186.38 ; v1@1559.41,3915 v1@1562.2,3912.2 ; MSP102.6@1562.2,3965.2 v1@1562.2,3912.2 ; v1(1565,3910) 1564.41,3910 v1@1562.2,3912.2
  Top Layer w10: R114.2@865,4233.62 865,4231.38 881.38,4215 882.86,4215 910,4187.86 R115.1@910,4186.38
  Top Layer w12: R115.1@910,4186.38 C116.2@955,4186.38
  Bottom Layer w8: v1(955,4145) 1025,4075 1295,4075 1375,3995 1518.58,3995 1565,3948.58 v1(1565,3910) v1@1560,3915
EZFET_AVCCOUT: C115.2 MSP102.1 R112.2 R113.1 | length 1045.4
  Top Layer w8: v1(1475,4145) 1470,4140 1470,4095 1486.61,4078.39 MSP102.1@1500.2,4078.39 ; R112.2@1695,3643.62 1694.13,3643.62 1694.13,3720.5 R113.1@1695,3721.38 ; C115.2@1695,3846.38 1665,3816.38 1665,3751.38 R113.1@1695,3721.38 ; v1(1730,3735) 1716.38,3721.38 R113.1@1695,3721.38
  Bottom Layer w8: v1(1475,4145) 1661.09,4145 1805,4001.09 1805,3810 v1(1730,3735)
EZFET_AVCCOUT2ADC: C122.2 MSP101.2 R121.2 R122.1 | length 298.4
  Top Layer w8: MSP101.2@1187.01,3612.03 1199.05,3600 1250,3600 1311.38,3538.62 C122.2@1345,3538.62 R121.2@1455,3538.62
EZFET_DCDCCAL0: MSP102.12 R126.1 | length 373.2
  Top Layer w8: MSP102.12@1649.8,4078.39 1696.61,4078.39 1745,4030 1745,3816.38 R126.1@1776.38,3785
EZFET_DCDCCAL1: MSP102.2 R127.1 | length 973
  Top Layer w8: v1(1495,4180) 1473.41,4180 1468.41,4175 1449.13,4155.72 1449.13,4092.39 1450.87,4090.65 1450.87,4089.13 1487.2,4052.8 MSP102.2@1500.2,4052.8 ; v1(1750.37,3700.37) 1750,3700 1750,3696.38 R127.1@1776.38,3670
  Bottom Layer w8: v1(1495,4180) 1645,4180 1650,4175 1655,4180 1823.62,4011.38 1823.62,3773.62 v1(1750.37,3700.37)
EZFET_DCDCCAL2: MSP102.11 R128.2 | length 395.1
  Top Layer w8: MSP102.11@1649.8,4052.8 1692.2,4052.8 1725,4020 1725,3786.38 R128.2@1776.38,3735
EZFET_DCDCIO0: MSP101.5 MSP102.4 | length 537.4
  Top Layer w8: MSP101.5@1228.77,3653.79 1210,3672.56 1210,3705 1290,3785 v1(1290,3860) ; v1@1500.2,3969.8 MSP102.4@1500.2,4001.61
  Bottom Layer w8: v1(1290,3860) 1290.87,3860.87 1334.28,3860.87 1438.41,3965 v1(1505,3965)
EZFET_DCDCIO1: MSP101.6 MSP102.5 | length 497.1
  Top Layer w8: MSP101.6@1242.69,3667.71 1230,3680.4 1230,3695 1320,3785 v1(1320,3835) ; v1(1535,3935) 1536.61,3936.61 MSP102.5@1536.61,3965.2
  Bottom Layer w8: v1(1320,3835) 1345,3835 1445,3935 v1(1535,3935)
EZFET_DCDCPULSE: MSP101.28 MSP102.3 R118.2 | length 836.1
  Top Layer w8: MSP101.28@1228.76,3996.22 1249.29,4016.75 1291.75,4016.75 1370,4095 1415,4095 1475,4035 1475,4027.2 ; MSP102.3@1500.2,4027.2 1475,4027.2 ; v1(1590,3875) 1558.41,3875 1479.13,3954.28 1479.13,3980.87 1475,3985 1475,4027.2 ; v1(1775,3975) 1775,4018.62 R118.2@1776.38,4020
  Bottom Layer w8: v1(1590,3875) 1590.87,3874.13 1674.13,3874.13 v1(1775,3975)
EZFET_DCDCRST: MSP101.7 MSP102.9 TP108.1 | length 835.3
  Top Layer w8: MSP101.7@1256.61,3681.63 1265.44,3672.8 1265.44,3656.96 1255,3646.52 1255,3620 1295,3580 v1(1535,3580) ; TP108.1@1600,3715 1620,3735 1620,3835 1649.8,3864.8 MSP102.9@1649.8,4001.61
  Bottom Layer w8: v1(1535,3580) 1535,3650 TP108.1@1600,3715
EZFET_DCDCTEST: MSP101.8 MSP102.10 TP109.1 | length 897.3
  Top Layer w8: MSP101.8@1270.53,3695.55 1285,3681.08 1285,3654.07 1275,3644.07 1275,3625 1300,3600 1505,3600 1520,3615 TP109.1@1600,3615 1658,3673 1658,3732 1645,3745 1645,3830 1665.68,3850.68 1665.68,3980 1675,3989.32 1675,4020 1667.8,4027.2 MSP102.10@1649.8,4027.2
EZFET_DM: IC102.4 J102.2 R103.1 | length 411.1
  Top Layer w10: IC102.4@411.81,3845.31 439.68,3845.31 v1(460,3825) R103.1@506.38,3825 ; v1(440,3955) 440,4000 474.41,4034.41 J102.2@474.41,4098.19
  Bottom Layer w10: v1(440,3955) 425,3940 425,3905 460,3870 v1(460,3825)
EZFET_DP: IC102.1 J102.3 R104.1 | length 633
  Top Layer w10: v1(360,3915) 380,3915 389.17,3905.83 IC102.1@389.17,3884.69 369.69,3884.69 355,3870 355,3795 470,3680 R104.1@506.38,3680 ; v1(500,4015) J102.3@500,4098.19
  Bottom Layer w10: v1(360,3915) 460,4015 v1(500,4015)
EZFET_HOSTSCL: MSP101.35 MSP102.7 R117.2 | length 793.6
  Top Layer w8: R117.2@1075,4166.38 v1(1075,4105) 1075,4058.11 MSP101.35@1109.07,4024.05 ; MSP102.7@1587.8,3965.2 1587.8,3937.2 1590,3935 1590,3930 v1(1595,3935)
  Bottom Layer w8: v1(1075,4105) 1095,4105 1105,4095 1300,4095 1384.13,4010.87 1525.16,4010.87 1595,3941.03 v1(1595,3935)
EZFET_HOSTSDA: MSP101.34 MSP102.8 R116.2 | length 841.7
  Top Layer w8: R116.2@1115,4166.38 v1(1115,4125) 1100.87,4110.87 1100.87,4060.08 MSP101.34@1122.99,4037.97 ; MSP102.8@1613.39,3965.2 1625,3953.58 1625,3905 v1(1620,3900)
  Bottom Layer w8: v1(1115,4125) 1130,4125 1140,4115 1305,4115 1390.87,4029.13 1535.87,4029.13 1604.13,3960.87 1605.72,3960.87 1620.87,3945.72 1620.87,3900.87 v1(1620,3900)
EZFET_LED0: MSP101.20 R101.2 | length 303.1
  Top Layer w8: R101.2@1241.38,4130 1241.38,4088.62 1280,4050 v1(1280,4045) ; MSP101.20@1340.14,3884.84 1356.61,3901.3 v1(1356.61,3974.13)
  Bottom Layer w8: v1(1280,4045) 1285.73,4045 v1(1356.61,3974.13)
EZFET_LED1: MSP101.21 R102.2 | length 362.2
  Top Layer w8: v1(1235,4045) 1205,4075 1205,4138.62 R102.2@1241.38,4175 ; v1(1325,3955) 1339.13,3940.87 1339.13,3911.67 MSP101.21@1326.22,3898.76
  Bottom Layer w8: v1(1235,4045) 1235,4050 1325,3960 v1(1325,3955)
EZFET_NC_TMSC: MSP101.45
EZFET_PU.0/DP: C111.1 MSP101.50 R104.2 R105.2 R106.2 | length 622
  Top Layer w8: C111.1@648.62,3680 648.62,3703.62 v1(715,3770) 690,3770 685,3775 R106.2@648.62,3775 ; v1(885,3780) 929,3780 MSP101.50@942.01,3793.01
  Top Layer w10: R104.2@553.62,3680 583.62,3650 640.5,3650 648.62,3658.12 C111.1@648.62,3680 ; R105.2@601.38,3825 R106.2@648.62,3777.76
  Bottom Layer w8: v1(715,3770) 740,3770 750,3780 v1(885,3780)
EZFET_PU.1/DM: C110.1 MSP101.52 R103.2 | length 695.4
  Top Layer w8: v1(465,3730) 465,3765 475,3775 C110.1@506.38,3775 ; v1@913.13,3750 945,3750 946.87,3751.87 956.57,3751.87 MSP101.52@969.86,3765.16
  Top Layer w10: C110.1@506.38,3775 553.62,3822.24 R103.2@553.62,3825
  Bottom Layer w8: v1(465,3730) 500,3695 690,3695 745,3750 v1(910,3750)
EZFET_PUR: MSP101.51 R105.1 | length 441.3
  Top Layer w8: R105.1@648.62,3825 648.62,3863.62 v1(650,3865) ; MSP101.51@955.93,3779.09 985,3808.15 v1(985,3810)
  Bottom Layer w8: v1(650,3865) 780,3865 795,3850 945,3850 v1(985,3810)
EZFET_RST: C112.2 MSP101.64 R109.2 TP107.1 | length 1298.8
  Top Layer w8: v1(540,3470) 570,3470 575,3465 700,3465 765,3400 1140,3400 1205,3465 1205,3538.62 ; MSP101.64@1136.93,3598.09 1175,3560.02 C112.2@1175,3538.62 1205,3538.62 ; R109.2@1235,3538.62 1205,3538.62
  Bottom Layer w8: TP107.1@200,3400 270,3470 v1(540,3470)
EZFET_SBWTCK: MSP101.44 R129.1 | length 796.6
  Top Layer w8: MSP101.44@983.79,3898.77 1007.56,3875 v1(1025,3875) ; R129.1@1273.62,3350 1313.62,3390 v1(1335,3390)
  Bottom Layer w8: v1(1025,3875) 1150,3750 1150,3720 1265,3605 1265,3525 1235,3495 1235,3440 1285,3390 v1(1335,3390)
EZFET_SBWTDIO: MSP101.43 R130.1 | length 678.7
  Top Layer w8: MSP101.43@997.71,3912.29 1006.13,3903.87 1053.87,3903.87 v1(1055,3905) ; R130.1@1273.62,3400 1280,3406.38 v1(1280,3435)
  Bottom Layer w8: v1(1055,3905) 1055,3875 1170,3760 1170,3725 1285,3610 1285,3520 1265,3500 1265,3450 v1(1280,3435)
EZFET_SHIELD: C126.2 IC102.5 J102.6 J102.7 J102.8 J102.9 J102.10 J102.11 R123.2 | length 1040.5
  Top Layer w12: J102.10@344.49,4202.91 344.49,4170.93 J102.11@403.05,4112.36 403.05,4128.05 463.09,4188.09 J102.9@463.09,4202.91 J102.8@536.91,4202.91 536.91,4188.09 596.95,4128.05 J102.6@596.95,4112.36 J102.7@655.51,4170.93 ; IC102.5@411.81,3865 535,3865 553.62,3883.62 R123.2@553.62,3915 553.62,3970 v1(600,3970)
  Bottom Layer w12: v1(600,3970) 655.51,4025.51 J102.7@655.51,4202.91